# Altium PCB LKS_EVB_MCU074D_V1.0.PcbDoc
Units mil, origin at the board's own origin, x right, y up, seen from the top; angles counter-clockwise.
Board outline 2625 x 1560 mil, 2 copper layers (Top Layer, Bottom Layer); 38 components, 54 nets, 182 pads, 60 vias.
Unrouted connection lines stored in the file: 53.
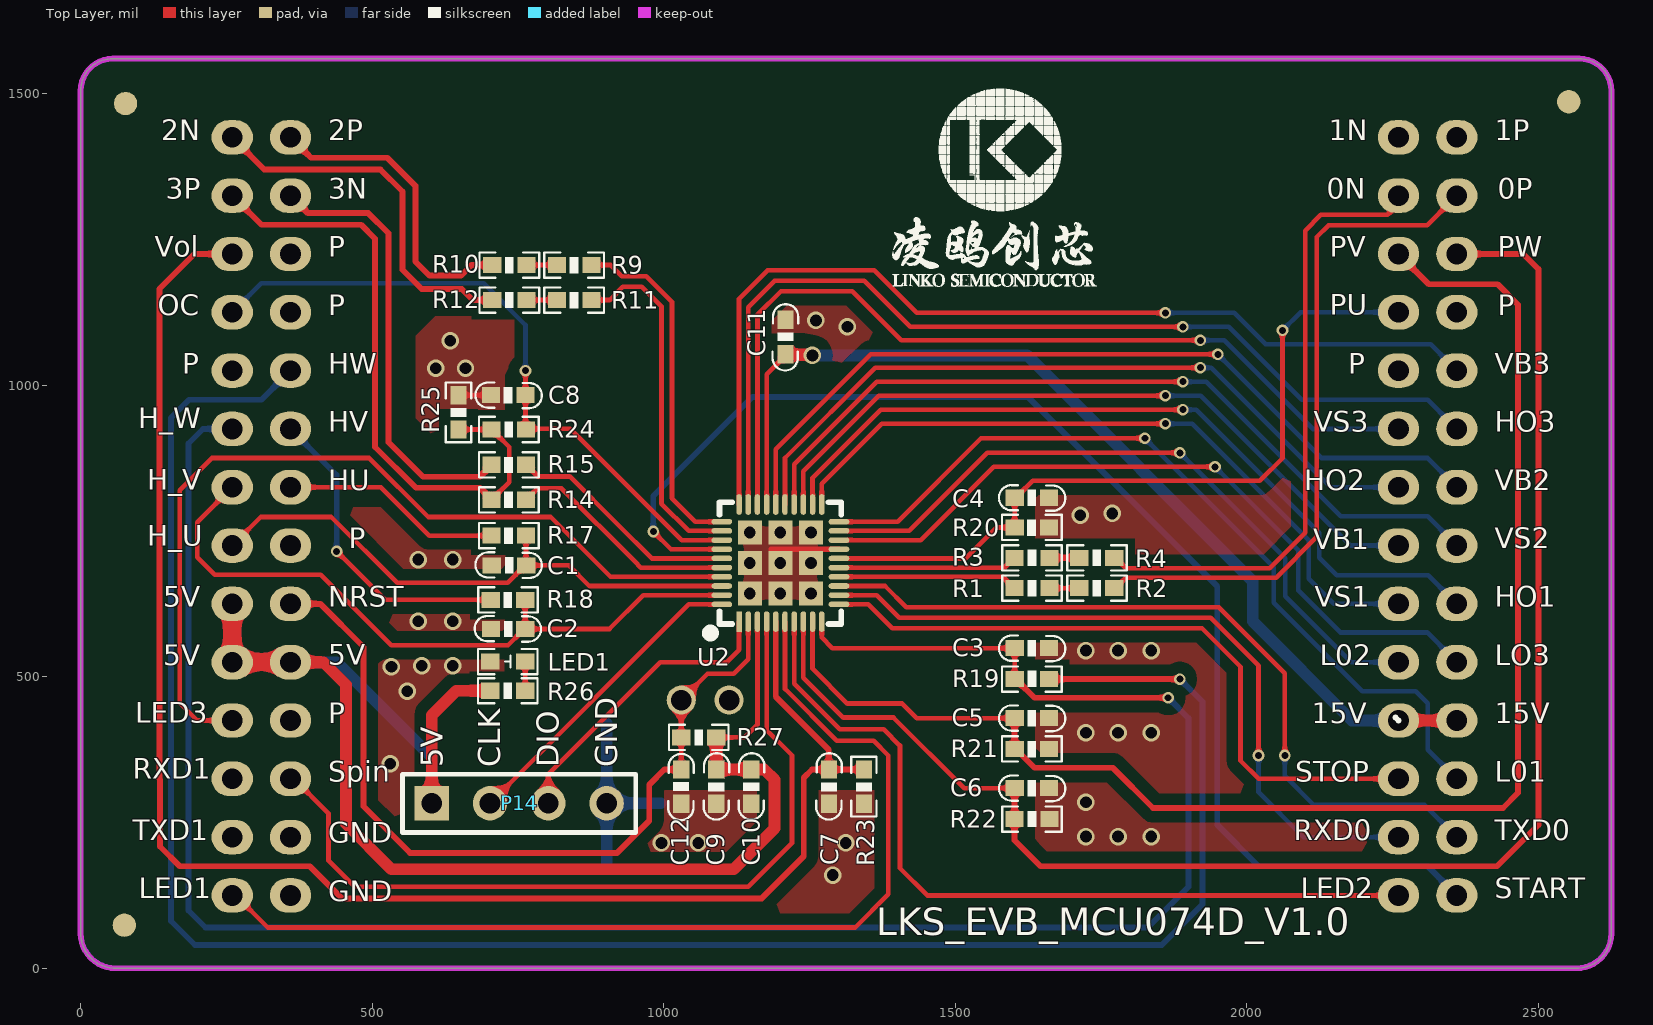
[diagram p0: Top Layer view]
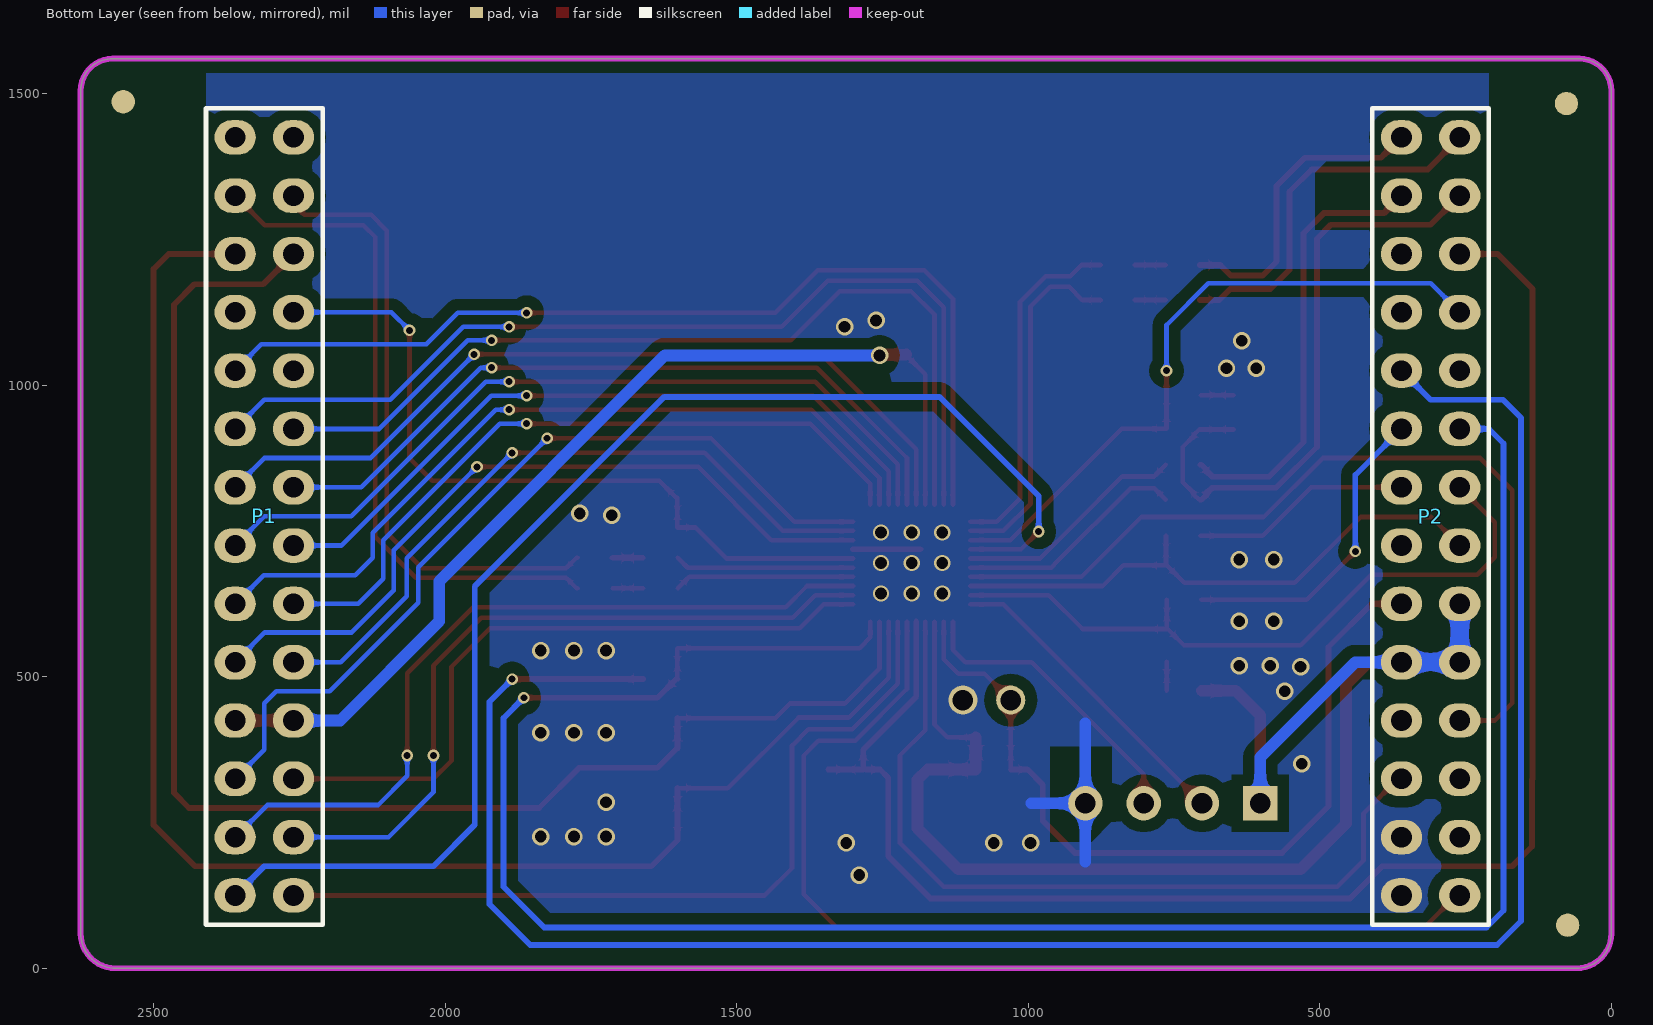
[diagram p1: Bottom Layer view, seen from below]

## Layer stack, top to bottom
Top Solder: solder mask 0.4, Solder Resist, Dk 3.5
Top Layer: signal copper 1.4
Dielectric1: dielectric 12.6, FR-4, Dk 4.8
Bottom Layer: signal copper 1.4
Bottom Solder: solder mask 0.4, Solder Resist, Dk 3.5

## Board outline
0,60 ccw(c60,60) 60,0 2565,0 ccw(c2565,60) 2625,60 2625,1505 ccw(c2570,1505) 2570,1560 55,1560 ccw(c55,1505) 0,1505

## Design rules (kind name [scope] priority, off if disabled: settings)
Clearance Clearance_1 [InPolygon] p1: gap=20 ignorepadtopadclearanceinfootprint=FALSE except(0: Arc-Hole Track-Hole SMDPad-Hole THPad-Hole Via-Hole Fill-Hole Poly-Hole Region-Hole Text-Hole)
Clearance [All] p2: gap=0 ignorepadtopadclearanceinfootprint=FALSE
ComponentClearance [All] p1: gap=0 collisioncheckmode=3 verticalgap=0 showdistances=FALSE
FabricationTestpoint [(IsPad And (OnTopLayer Or OnBottomLayer))] p1: side=3 testpointundercomponent=TRUE minsize=40 maxsize=100 preferedsize=60 minholesize=0 maxholesize=40 preferedholesize=32 testpointgrid=1 allowsidetop=TRUE allowsidebottom=TRUE usegrid=TRUE gridtolerance=0.01
HoleSize [All] p1: absolutevalues=TRUE maxlimit=100 minlimit=0 maxpercent=80.000 minpercent=20.000
PolygonConnect [All] p1: connectstyle=Direct reliefconductorwidth=25 reliefentries=4 polygonreliefangle="90 Angle" airgapwidth=10
RoutingVias [All] p1: holewidth=28 width=50 viastyle="Through Hole" minholewidth=0 minwidth=8 maxholewidth=28 maxwidth=50
SilkToSolderMaskClearance SilkscreenOverComponentPads [IsPad] p1: minsilkscreentomaskgap=10 clearancetoexposedcopper=TRUE
SolderMaskExpansion [All] p1: expansion=4 istentingtop=FALSE
Width [All] p1: maxlimit=100 minlimit=2 preferedwidth=10
26 further rules are at their usual default settings.

## Components (designator, comment, footprint, x,y, rotation, side; value= is the part's Value field where it differs from the comment)
C1 "10nF/16V" 0603C 764.06,691 r180 top
C2 "10nF/16V" 0603C 762.71,581.86 r180 top
C3 "10nF/16V" 0603C 1601.65,549 r0 top
C4 "1nF/16V" 0603C 1601.65,807 r0 top
C5 "1nF/16V" 0603C 1601.65,429.21 r0 top
C6 "1nF/16V" 0603C 1601.65,309 r0 top
C7 "100nF/50V" 0603C 1283,281.94 r90 top
C8 "1nF/50V" 0603C 703.82,983 r0 top
C9 "10uF/16V" 0603C 1090,281.94 r90 top
C10 "100nF/50V" 0603C 1150,281.94 r90 top
C11 "4.7uF/25V" 0603C 1209,1112.23 r270 top
C12 "100nF/50V" 0603C 1030,341 r270 top
LED1 "LED" "LED 0603R" 732.5,526 r180 top
P1 "Header 14X2A" "HDR 2X14 底层" 2260,1425 r180 bottom
P2 "Header 14X2A" "HDR 2X14 底层" 260,1425 r180 bottom locked
P14 "Header 4" HDR1X4 602,283 r0 top
R1 "20K1%" 0603R#1 1631.36,652 r180 top value=K
R2 "20K1%" 0603R#1 1742.71,652 r180 top value=K
R3 "20K1%" 0603R#1 1631.36,704 r180 top value=K
R4 "20K1%" 0603R#1 1742.71,704 r180 top value=K
R9 "20K1%" 0603R#2 816.94,1206 r0 top value=K
R10 "20K1%" 0603R#2 705.65,1206 r0 top value=K
R11 "20K1%" 0603R#2 816.94,1146 r0 top value=K
R12 "20K1%" 0603R#2 705.65,1146 r0 top value=K
R14 "1K1%" 0603R#2 704.65,803.5 r0 top value=K
R15 "1K1%" 0603R#2 704.65,863.5 r0 top value=K
R17 "2K" 0603R#2 704.65,741.9 r0 top value=K
R18 "2K" 0603R#2 703.3,631.86 r0 top value=K
R19 "2K" 0603R#2 1660.71,496 r180 top value=K
R20 "1K" 0603R#2 1601.65,756 r0 top value=K
R21 "1K" 0603R#2 1601.65,376.21 r0 top value=K
R22 "1K" 0603R#1 1631.36,256 r0 top value=K
R23 "1K1%" 0603R#2 1343,282 r90 top value=K
R24 "1K1%" 0603R#2 763.71,924 r180 top value=K
R25 "10R" 0603R#2 648,923.94 r90 top value=K
R26 "330R" 0603R#1 732.5,476 r180 top value=330
R27 "20K" 0603R#1 1060,396 r0 top value=K
U2 "LKS32MC074DF8Q8" QFN40 1200,695 r90 top

## Footprints (in the part's own frame and the unit in brackets; to place one, negate y for a bottom-side part, rotate by r counter-clockwise, add the part's x,y. Pads: shape width x height; smd on the part's side, far side on the other; paste and mask are expansions set on the pad)
0603C [mm]
  rect 0.8x0.7 smd: 1(0,0) 2(1.5,0)
  silkscreen extent -0.68,-0.57 2.21,0.55
0603R#1 [mm] "电阻"
  rect 0.8x0.7 smd: 1(-0.762,0) 2(0.762,0)
  silkscreen extent -1.3,-0.55 1.3,0.55, body extent -0.8,-0.4 0.8,0.4, height 0.45
0603R#2 [mm]
  rect 0.8x0.7 smd: 1(0,0) 2(1.5,0)
  silkscreen extent -0.55,-0.55 2.05,0.55
HDR1X4 [mm] "Connector; Header; 4 Position"
  rect 1.5x1.5 hole 0.9: 1(0,0)
  round 1.5 hole 0.9: 2(2.54,0) 3(5.08,0) 4(7.62,0)
  silkscreen extent -1.27,-1.27 8.89,1.27
"HDR 2X14 底层" [mm] "双排针 2.54mm 底层"
  oval 1.8x1.5 hole 0.9: 1(0,0) 2(0,-2.54) 3(0,-5.08) 4(0,-7.62) 5(0,-10.16) 6(0,-12.7) 7(0,-15.24) 8(0,-17.78) 9(0,-20.32) 10(0,-22.86) 11(0,-25.4) 12(0,-27.94) 13(0,-30.48) 14(0,-33.02) 15(-2.54,0) 16(-2.54,-2.54) 17(-2.54,-5.08) 18(-2.54,-7.62) 19(-2.54,-10.16) 20(-2.54,-12.7) 21(-2.54,-15.24) 22(-2.54,-17.78) 23(-2.54,-20.32) 24(-2.54,-22.86) 25(-2.54,-25.4) 26(-2.54,-27.94) 27(-2.54,-30.48) 28(-2.54,-33.02)
  silkscreen extent -3.81,-34.29 1.27,1.27, body extent -3.81,-34.29 1.27,1.27, height 8.5
"LED 0603R" [mm] "LED"
  rect 0.8x0.7 smd: 1(-0.762,0) 2(0.762,0)
  silkscreen extent -1.3,-0.55 1.3,0.55, body extent -0.8,-0.4 0.8,0.4, height 0.47
QFN40 [mm] "LINKO-084D"
  rect 1.05x1.05 smd: 0(-1.33,-1.33) 0(-1.33,0) 0(-1.33,1.33) 0(0,1.33) 0(0,0) 0(0,-1.33) 0(1.33,-1.33) 0(1.33,0) 0(1.33,1.33)
  rect 0.9x0.24 smd: 1(-2.55,1.8)
  oval 0.9x0.24 smd: 2(-2.55,1.4) 3(-2.55,1) 4(-2.55,0.6) 5(-2.55,0.2) 6(-2.55,-0.2) 7(-2.55,-0.6) 8(-2.55,-1) 9(-2.55,-1.4) 10(-2.55,-1.8) 21(2.55,-1.8) 22(2.55,-1.4) 23(2.55,-1) 24(2.55,-0.6) 25(2.55,-0.2) 26(2.55,0.2) 27(2.55,0.6) 28(2.55,1) 29(2.55,1.4) 30(2.55,1.8)
  oval 0.24x0.9 smd: 11(-1.8,-2.55) 12(-1.4,-2.55) 13(-1,-2.55) 14(-0.6,-2.55) 15(-0.2,-2.55) 16(0.2,-2.55) 17(0.6,-2.55) 18(1,-2.55) 19(1.4,-2.55) 20(1.8,-2.55) 31(1.8,2.55) 32(1.4,2.55) 33(1,2.55) 34(0.6,2.55) 35(0.2,2.55) 36(-0.2,2.55) 37(-0.6,2.55) 38(-1,2.55) 39(-1.4,2.55) 40(-1.8,2.55)
  silkscreen extent -3.16,-2.65 2.65,3.16, body extent -3,-3 3,3, height 0.9

## Part data
C1 C2 C3 C4 C5 C6: library part CAP, "Capacitor"
C7 C8 C9 C10 C11 C12: library part C, "Capacitor"
LED1: "LED_Light"
P1 P2: "Header, 14-Pin, Dual row", LatestRevisionDate=17-Jul-2002, LatestRevisionNote="Re-released for DXP Platform.", Publisher="Altium Limited"
P14: "Header, 4-Pin", LatestRevisionDate=17-Jul-2002, LatestRevisionNote="Re-released for DXP Platform.", Publisher="Altium Limited"
R1 R2 R3 R4 R9 R10 R11 R12 R14 R15 R17 R18 R19 R20 R21 R22 R23 R24 R25 R26 R27: library part Res, "Resistor", LatestRevisionDate=17-Jul-2002, LatestRevisionNote="Re-released for DXP Platform.", PackageDescription="Axial Device, Thru-Hole; 2 Leads; 0.4 in Pin Spacing", PackageReference=AXIAL-0.4, Published=8-Jun-2000, Publisher="Altium Limited"
U2: "芯片"

## Free pads (board coordinates)
  round 50 hole 35: 0(1112,460) 1(1030,460)
  round 40 all layers, no hole: 3(2552,1486) 5(75,74) 5(77,1483)

## Via types
v1: diameter 30, hole 20, Top Layer to Bottom Layer, 31 vias
v2: diameter 20, hole 12, Top Layer to Bottom Layer, 20 vias
v3: diameter 28, hole 20, Top Layer to Bottom Layer, 9 vias

## Nets (pads, with @x,y where several pads share a name; then routed paths per layer and width w, separated by ;. In a path a pad name is that pad's centre, name@x,y a point inside that pad or via, vN(x,y) a via of type N, cw(c..) or ccw(c..) an arc to the next point about the centre after c; other vN are vias at no path point)
+5V: C9.2 C10.2 P2.9 P2.10 P2.24 P14.1 R26.2 R27.2 U2.3 | length 2705.4
  Top Layer w8: R27.2 1139,396 1160.63,417.63 U2.3
  Top Layer w20: P2.24 416.45,525 455,486.45 455,248 533,170 1120,170 1190,240 1190,323.44 1172.44,341 C10.2 C9.2 R27.2 ; P14.1 602,434 644,476 R26.2
  Top Layer w30: P2.9 P2.10 P2.24
  Bottom Layer w20: P2.24 439,525 602,362 P14.1
  Bottom Layer w30: P2.9 P2.10 P2.24
+15V: C11.2 P1.11 P1.25 U2.27 | length 1722.9
  Top Layer w8: U2.27 1176.38,1018.58 1209,1051.2 C11.2
  Top Layer w20: C11.2 1210.09,1052.09 1253.91,1052.09 v1(1255,1051) ; P1.11 P1.25
  Bottom Layer w20: v1(1255,1051) 1623,1051 2010,664 2010,595 2180,425 P1.11
GND: C1.2 C2.2 C3.2 C4.2 C5.2 C6.2 C7.1 C8.1 C9.1 C10.1 C11.1 C12.2 LED1.2 P2.16 P2.27 P2.28 P14.4 pad.0 R15.1 R20.2 R21.2 R22.2 R23.1 R25.2 U2.0 U2.17 | length 1265.5
  Top Layer w8: R25.2 C8.1
  Top Layer w10: P2.16 390,1295 493.28,1295 527.87,1260.4 527.87,902.13 587,843 684.39,843 693.91,852.51 693.91,854.72 702.69,863.5 R15.1@704.89,863.5 ; 1185,718.62 U2.17 ; U2.0@1200,695 v3(1200,695.11)
  Bottom Layer w20: 902,183 P14.4 ; 902,420 P14.4 ; 995,283 P14.4
  other v1: 1290,160 996,215 1059,215 1312,215 1724,226 1779,226 1836,226 1724,285 531,351 1724,404 1779,404 1836,404 560,475 533,517 585,519 638,519 1724,545 1779,545 1836,545 579,595 638,595 579,701 638,701 1714,777 1769,780 609,1029 660,1029 634,1076 1315,1100 1261,1111
  other v3: 1147.64,642.64 1200,642.64 1252.36,642.64 1147.64,695 1252.36,695 1147.64,747.36 1200,747.36 1252.36,747.36
HALL_U: C1.1 P2.8 R17.2 U2.38 | length 984.8
  Top Layer w8: P2.8 309,774 430,774 543,661 732.09,661 762.09,691 C1.1 ; R17.2 763.71,691.35 C1.1 ; U2.38 872.37,655.63 837,691 C1.1
HALL_V: C2.1 P2.7 R18.2 U2.39 | length 1192.7
  Top Layer w8: P2.7 200,765 200,705 230,675 412,675 533,554 732.88,554 760.74,581.86 C2.1 ; R18.2 762.36,582.2 C2.1 ; U2.39 964.88,639.88 906.86,581.86 C2.1
HALL_W: C3.1 P2.6 R19.2 U2.10 | length 3676.5
  Top Layer w8: U2.10 1270.87,567.37 1289.24,549 C3.1 1601.65,497 R19.2@1600.65,496 ; R19.2 R19.2@1603.62,496
  Top Layer w10: R19.2@1603.62,496 1635.62,464 v2(1865,464)
  Bottom Layer w10: P2.6 210,925 185,900 185,99 214,70 1830,70 1900,140 1900,429 v2(1865,464)
HO1: P1.23 U2.22 | length 1362.1
  Top Layer w8: U2.22 1255.12,841.12 1372,958 v2(1890,958)
  Bottom Layer w8: v2(1890,958) 1913,958 2124,747 2124,704 2154,674 2311,674 P1.23
HO2: P1.7 U2.25 | length 1280.9
  Top Layer w8: U2.25 1207.87,875.1 1362.77,1030 v2(1920,1030)
  Bottom Layer w8: v2(1920,1030) 1939,1030 2144,825 P1.7
HO3: P1.20 U2.29 | length 1677.5
  Top Layer w8: U2.29 1144.88,1133.88 1190,1179 1344,1179 1423,1100 v2(1890,1100)
  Bottom Layer w8: v2(1890,1100) 1969,1100 2094,975 2310,975 P1.20
HU: P2.21 R17.1 | length 379.1
  Top Layer w8: P2.21 515,825 598.1,741.9 R17.1
HV: P2.20 R18.1 | length 541.5
  Top Layer w8: v2(439,715) 522.14,631.86 R18.1
  Bottom Layer w9.45: P2.20 439,846 v2(439,715)
HW: P2.19 R19.1 | length 3543
  Top Layer w10: R19.1 v2(1885,496)
  Bottom Layer w10: P2.19 310,975 186,975 155,944 155,81 196,40 1854,40 1924,110 1924,457 v2(1885,496)
LED1: P2.14 U2.6 | length 1749.3
  Top Layer w8: P2.14 265.91,125 320.91,70 1328,70 1385,127 1385,175 1385,365 1360,390 1297,390 1207.87,479.13 U2.6
LED2: P1.14 U2.7 | length 1416.1
  Top Layer w8: U2.7 1223.62,488.38 1302,410 1377,410 1405,382 1405,172 1452,125 P1.14
LED3: P2.11 U2.37 | length 1504.2
  Top Layer w8: P2.11 200,425 170,455 170,820 225,875 495.11,875 596.11,774 806,774 908.62,671.38 U2.37
LO1: P1.26 U2.20 | length 1443.1
  Top Layer w8: U2.20 1400.87,765.87 1544,909 v2(1825,909)
  Bottom Layer w8: v2(1825,909) 2046,688 2046,627 2198,475 2289.5,475 2310,454.5 2310,375 P1.26
LO2: P1.10 U2.19 | length 1201.8
  Top Layer w8: U2.19 1421.12,750.12 1555,884 v2(1885,884)
  Bottom Layer w8: v2(1885,884) 2066,703 2066,638 2179,525 P1.10
LO3: P1.24 U2.18 | length 1291
  Top Layer w8: U2.18 1440.37,734.37 1566,860 v2(1945.31,860)
  Bottom Layer w8: v2(1945.31,860) 2088,717.31 2088,648 2160,576 2309,576 P1.24
NetLED1_1: LED1.1 R26.1 | length 50
  Top Layer w8: R26.1 LED1.1
NetR1_1: R1.1 R2.2 | length 52
  Top Layer w8: R1.1@1660.71,652 R2.2
NetR3_1: R3.1 R4.2 | length 51.7
  Top Layer w10: R3.1@1661,704 R4.2
NetR9_1: R9.1 R10.2 | length 52.2
  Top Layer w8: R10.2 R9.1
NetR11_1: R11.1 R12.2 | length 52.2
  Top Layer w8: R12.2 R11.1
NRST: C12.1 P2.23 pad.1 R27.1 U2.2 | length 1429.9
  Top Layer w8: C12.1 R27.1 pad.1 1075,505 1120,505 1144.88,529.88 U2.2
  Top Layer w10: P2.23 411,625 485,551 485,278 565,198 920,198 975,253 975,315 1001,341 C12.1
OC: C8.2 P2.4 R24.1 U2.33 | length 1147.1
  Top Layer w8: v2(762.87,1024.87) C8.2 762.87,925.18 839.82,925.18 1030.63,734.37 U2.33
  Bottom Layer w8: P2.4 310,1175 691,1175 762.87,1103.13 v2(762.87,1024.87)
OPA0_IN: R3.2 U2.15 | length 307.6
  Top Layer w8: U2.15 1584.13,687.13 R3.2@1601,704
OPA0_IP: R1.2 U2.14 | length 308.3
  Top Layer w8: U2.14 1581.33,671.38 R1.2@1600.71,652
OPA2_IN: R11.2 U2.32 | length 605.6
  Top Layer w8: R11.2@876.65,1145.35 R11.2 907,1146 930,1169 962,1169 996,1135 996,797 1042.88,750.12 U2.32
OPA2_IP: R9.2 U2.31 | length 603.3
  Top Layer w8: R9.2 909,1206 928,1187 970,1187 1014,1143 1014,806 1054.13,765.87 U2.31
OPA3_IN: R15.2 U2.35 | length 402.2
  Top Layer w8: R15.2@763.95,863.5 783.95,843.5 838.5,843.5 920,762 979.13,702.87 U2.35
OPA3_IP: R14.2 U2.36 | length 400.4
  Top Layer w8: R14.2@763.95,803.5 783.95,823.5 824.5,823.5 950,698 960.87,687.13 U2.36
PGND: P1.1 P1.2 P2.1 P2.2 R4.1 R12.1 R14.1 R24.2 R25.1 | length 2786.8
  Top Layer w8: R25.1 704.94,923.94 705,924 706.97,924 716.75,914.22 716.75,912.25 735,894 735,833.61 716.64,815.25 716.64,813.28 706.86,803.5 R14.1@704.89,803.5 ; R4.1 1774.68,704 1792.68,686 2039,686 2100,747 2100,1265 2127,1292 2241,1292 2260,1311 P1.2
  Top Layer w10: P2.2 310,1275 481,1275 505,1251 505,894 575,824 684.39,824 693.91,814.49 693.91,812.28 702.69,803.5 R14.1@704.89,803.5 ; P2.1 315,1370 514,1370 552,1332 552,1198 585,1165 653.55,1165 672.55,1146 R12.1
PU: C4.1 P1.4 R20.1 U2.16 | length 1292.6
  Top Layer w8: U2.16 1517.87,702.87 1571,756 R20.1 C4.1 1603.62,807 1632.62,836 2022,836 2061,875 v2(2061,1094)
  Bottom Layer w8: v2(2061,1094) 2092,1125 P1.4
PV: C5.1 P1.3 R21.1 U2.9 | length 2508.8
  Top Layer w8: U2.9 1255.12,513.88 1315,454 1409.05,454 1434.05,429 1601.44,429 C5.1 ; R21.1 R21.1@1603.62,376.21
  Top Layer w10: R21.1@1601.65,377 C5.1 ; R21.1@1603.62,376.21 1635.84,344 1770,344 1839,275 2439,275 2465,301 2465,1138 2430,1173 2312,1173 P1.3
PW: C6.1 P1.17 R22.1 U2.8 | length 2676.6
  Top Layer w8: U2.8 1239.37,498.63 1308,430 1394,430 1515,309 C6.1
  Top Layer w10: C6.1 1601.65,256.29 R22.1 1601.36,219.64 1646,175 2429,175 2500,246 2500,1199 2474,1225 P1.17
RXD0: P1.13 U2.12 | length 1258.6
  Top Layer w8: U2.12 1365.12,639.88 1404,601 1938,601 2020,519 v2(2020,365)
  Bottom Layer w8: v2(2020,365) 2020,302 2097,225 P1.13
RXD1: P2.12
SPIN: P2.26 U2.4 | length 1412.8
  Top Layer w8: P2.26 365.91,325 425,265.91 425,185 470,140 1145,140 1220,215 1220,365 1176.38,408.62 U2.4
START1: P1.28 U2.34 | length 2233.3
  Top Layer w8: v2(982,749) 1012.38,718.62 U2.34
  Bottom Layer w10: v2(982,749) 982,810 1152,980 1624,980 1949,655 1949,246 2020,175 2310,175 P1.28
STOP1: P1.12 U2.11 | length 1177.8
  Top Layer w8: U2.11 1350.87,624.13 1392,583 1923,583 1989,517 1989,356 2020,325 P1.12
SWCLK: P14.2 U2.40 | length 538.9
  Top Layer w8: P14.2 1043.13,624.13 U2.40
SWDIO: P14.3 U2.1 | length 513.9
  Top Layer w8: P14.3 802,333 994,525 1108,525 1129.13,546.13 U2.1
TXD0: P1.27 U2.13 | length 1341.1
  Top Layer w8: U2.13 1379.37,655.63 1416,619 1952,619 2065,506 v2(2065,365)
  Bottom Layer w8: v2(2065,365) 2065,330 2115,280 2305,280 P1.27
TXD1: P2.13
UP-: P2.15 R10.1 | length 527.4
  Top Layer w10: P2.15 395,1390 526,1390 574,1342 574,1212 598,1188 652.52,1188 670.52,1206 R10.1
VB1: P1.8 U2.23 | length 1237.8
  Top Layer w8: U2.23 1239.37,852.37 1369,982 v2(1860,982)
  Bottom Layer w8: v2(1860,982) 1921,982 2178,725 P1.8
VB2: P1.21 U2.26 | length 1424.5
  Top Layer w8: U2.26 1192.13,890.13 1355,1053 v2(1950,1053)
  Bottom Layer w8: v2(1950,1053) 2128,875 2310,875 P1.21
VB3: P1.19 U2.30 | length 1675.1
  Top Layer w8: U2.30 1129.13,1148.13 1178,1197 1361,1197 1434,1124 v2(1860,1124)
  Bottom Layer w8: v2(1860,1124) 1978,1124 2032,1070 2315,1070 P1.19
VOL_ADC: C7.2 P2.3 R23.2 U2.5 | length 2807
  Top Layer w10: P2.3 195,1225 135,1165 135,325 136,324 136,209 170,175 393,175 448,120 1168,120 1240,192 1240,327 1254,341 C7.2@1278,341 ; U2.5 1192.13,465.87 1283,375 C7.2 1342.94,341 R23.2
VP-: P1.15
VS1: P1.9 U2.21 | length 1234
  Top Layer w8: U2.21 1270.87,830.87 1374,934 v2(1860,934)
  Bottom Layer w8: v2(1860,934) 1906,934 2106.13,733.87 2106.13,667.87 2149,625 P1.9
VS2: P1.22 U2.24 | length 1380.6
  Top Layer w8: U2.24 1223.62,864.62 1365,1006 v2(1890,1006)
  Bottom Layer w8: v2(1890,1006) 1930,1006 2161,775 2310,775 P1.22
VS3: P1.6 U2.28 | length 1539.1
  Top Layer w8: U2.28 1160.63,1120.63 1201,1161 1323,1161 1407,1077 v2(1920.25,1077)
  Bottom Layer w8: v2(1920.25,1077) 1961,1077 2113,925 P1.6
WP-: P1.16 R2.1 | length 1167.2
  Top Layer w8: R2.1 1774.68,652 1792.68,670 2050,670 2120,740 2120,1254.13 2140,1274.13 2309.13,1274.13 P1.16
pads on no net: P1.5 P1.18 P2.5 P2.17 P2.18 P2.22 P2.25

## Polygon pours and split planes (outlines as drawn)
GND on Top Layer "Bottom Layer-No Net 1" (solid, remove dead copper, pour order 5): 210,1560 210,0 2410,0 2410,1560
GND on Bottom Layer "Bottom Layer-No Net 1" (solid, remove dead copper, pour order 9): 210,1560 2410,1560 2410,-2 210,-2

## Keep-outs
Keep-Out Layer:
  the board outline again, w10

## Other copper
Top Layer:
  pour cut-out: 300,1364 300,810 319.6,790.4 740.15,790.4 740.15,895 623,895 575,943 575,1085 608.4,1118.4 743.6,1118.4 743.6,1029.4 845.6,1029.4 845.6,1262.4 744,1364
  pour cut-out: 306,137 306,5 297,5 289,5 289,100
  pour cut-out: 298.86,275 296,5 436,5 445,5 445,275
  pour cut-out: 855,382 855,253 892,216 893,217 963,217 963,381 962,382 961,381 856,381
Bottom Layer:
  pour cut-out: 856,381 856,254 855,253 891.5,216.5 962.5,216.5 963,217 963,381
  pour cut-out: 303,1384 489,1384 509,1364 509,1266 313,1266 304,1275

## Silkscreen, mask and mechanical layers (free items; w line width, h text height)
Top Overlay:
  drawing of 145 lines, arcs and shapes, not listed
  text "2N" at 138,1408 h60
  text "2P" at 425,1408 h60
  text "1N" at 2140,1408 h60
  text "1P" at 2425,1408 h60
  text "3P" at 146,1308 h60
  text "3N" at 425,1308 h60
  text "0N" at 2137,1308 h60
  text "0P" at 2430,1308 h60
  text "Vol" at 127,1208 h60
  text "P" at 425,1208 h60
  text "PV" at 2142,1208 h60
  text "PW" at 2430,1208 h60
  text "PU" at 2142,1109 h60
  text "OC" at 132,1108 h60
  text "P" at 425,1108 h60
  text "P" at 2430,1108 h60
  text "P" at 174,1008 h60
  text "HW" at 425,1008 h60
  text "P" at 2174,1008 h60
  text "VB3" at 2425,1008 h60
  text "H_W" at 99,914 h60
  text "HV" at 425,908 h60
  text "VS3" at 2115,908 h60
  text "HO3" at 2425,908 h60
  text "H_V" at 114,809 h60
  text "HU" at 425,808 h60
  text "HO2" at 2098,808 h60
  text "VB2" at 2425,808 h60
  text "H_U" at 114,713 h60
  text "P" at 460,708 h60
  text "VS2" at 2425,708 h60
  text "VB1" at 2114,707 h60
  text "5V" at 142,608 h60
  text "NRST" at 425,608 h60
  text "VS1" at 2116,608 h60
  text "HO1" at 2425,608 h60
  text "5V" at 425,509 h60
  text "5V" at 142,508 h60
  text "L02" at 2125,508 h60
  text "LO3" at 2425,508 h60
  text "LED3" at 94,409 h60
  text "P" at 425,408 h60
  text "15V" at 2111,408 h60
  text "15V" at 2425,408 h60
  text "5V" at 621,345 h38 r90
  text "CLK" at 720,345 h38 r90
  text "DIO" at 820,345 h38 r90
  text "GND" at 920,345 h38 r90
  text "RXD1" at 89,313 h60
  text "Spin" at 425,308 h60
  text "STOP" at 2083,308 h60
  text "L01" at 2425,308 h60
  text "TXD1" at 89,208 h60
  text "RXD0" at 2080,208 h60
  text "TXD0" at 2425,208 h60
  text "GND" at 425,203 h60
  text "LED1" at 100,108 h60
  text "LED2" at 2092,108 h60
  text "START" at 2425,108 h60
  text "GND" at 425,103 h60
  text "LKS_EVB_MCU074D_V1.0" at 1364,41 h80
Top Solder:
  circle w78: c75,74 r17
  circle w78: c2552,1486 r17
  circle w78: c77,1483 r17